# Altium PCB CAN_Current_Module.PcbDoc (part 1 of 2)
Units mil, origin at the board's own origin, x right, y up, seen from the top; angles counter-clockwise.
Board outline 5090 x 3560 mil, 4 copper layers (Top Layer, VCC Plane, GND Plane, Bottom Layer), stack 34.802 mil thick; 166 components, 119 nets, 491 pads, 146 vias.
Unrouted connection lines stored in the file: 3.
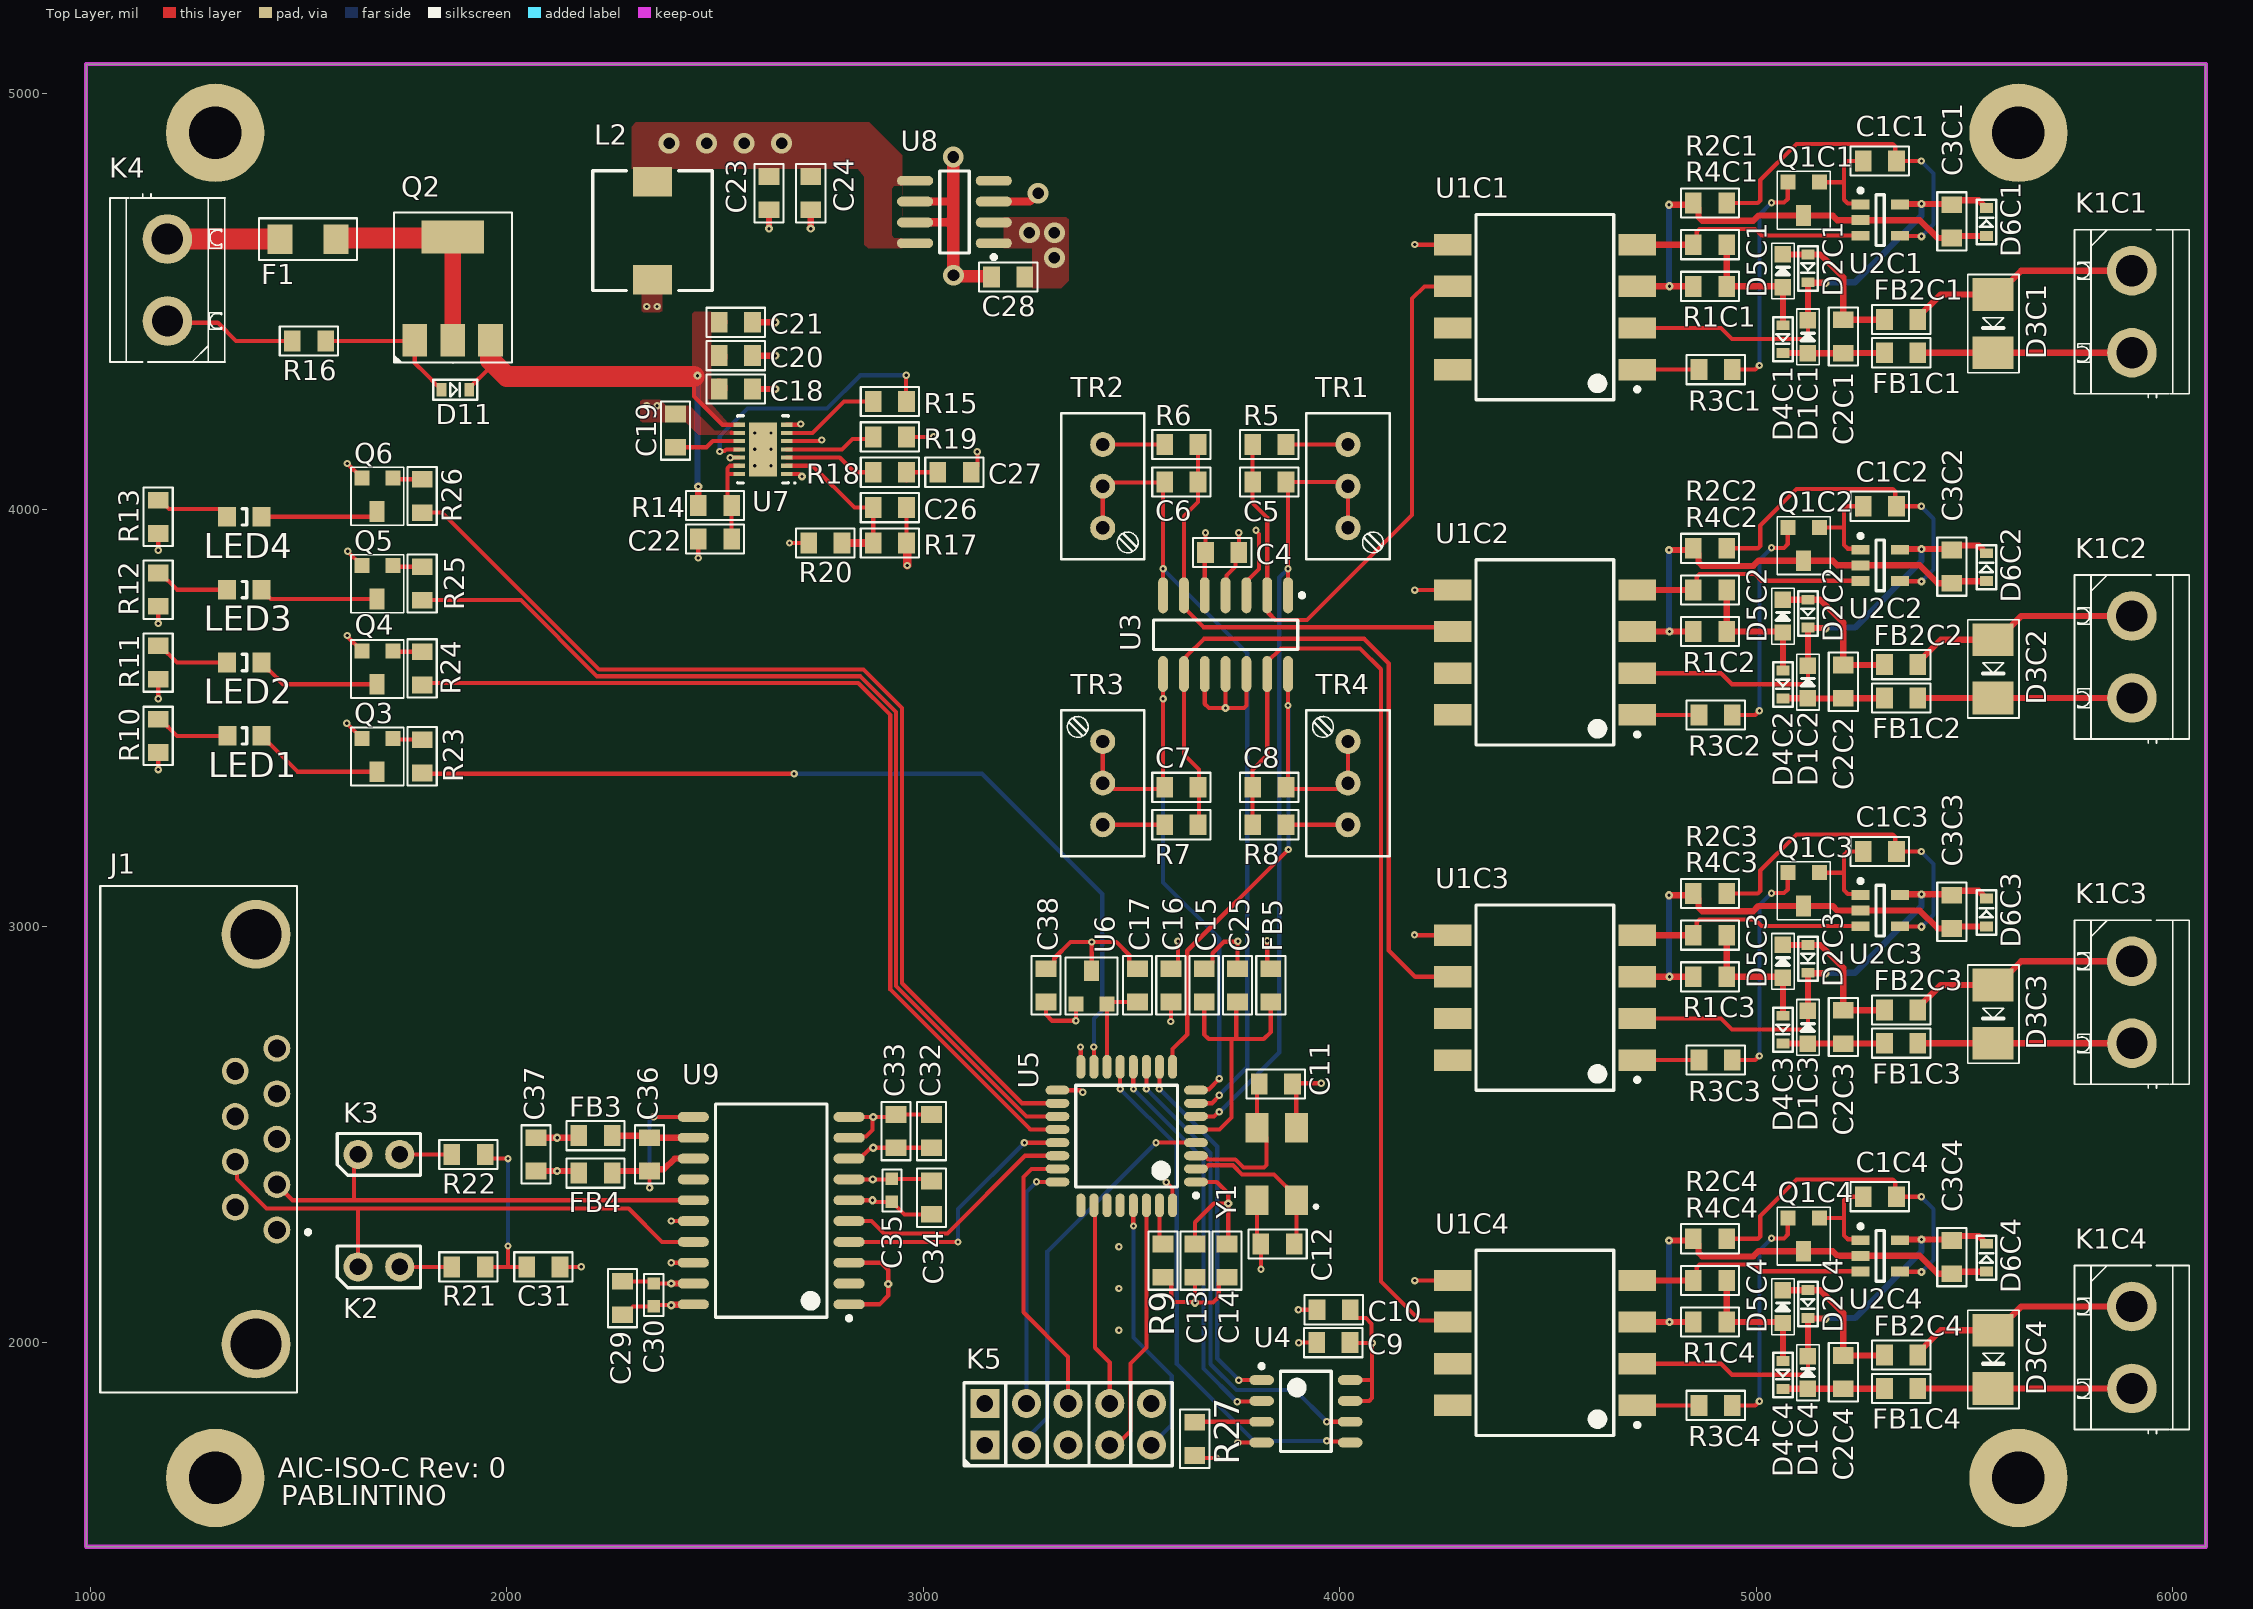
[diagram p0: Top Layer view]
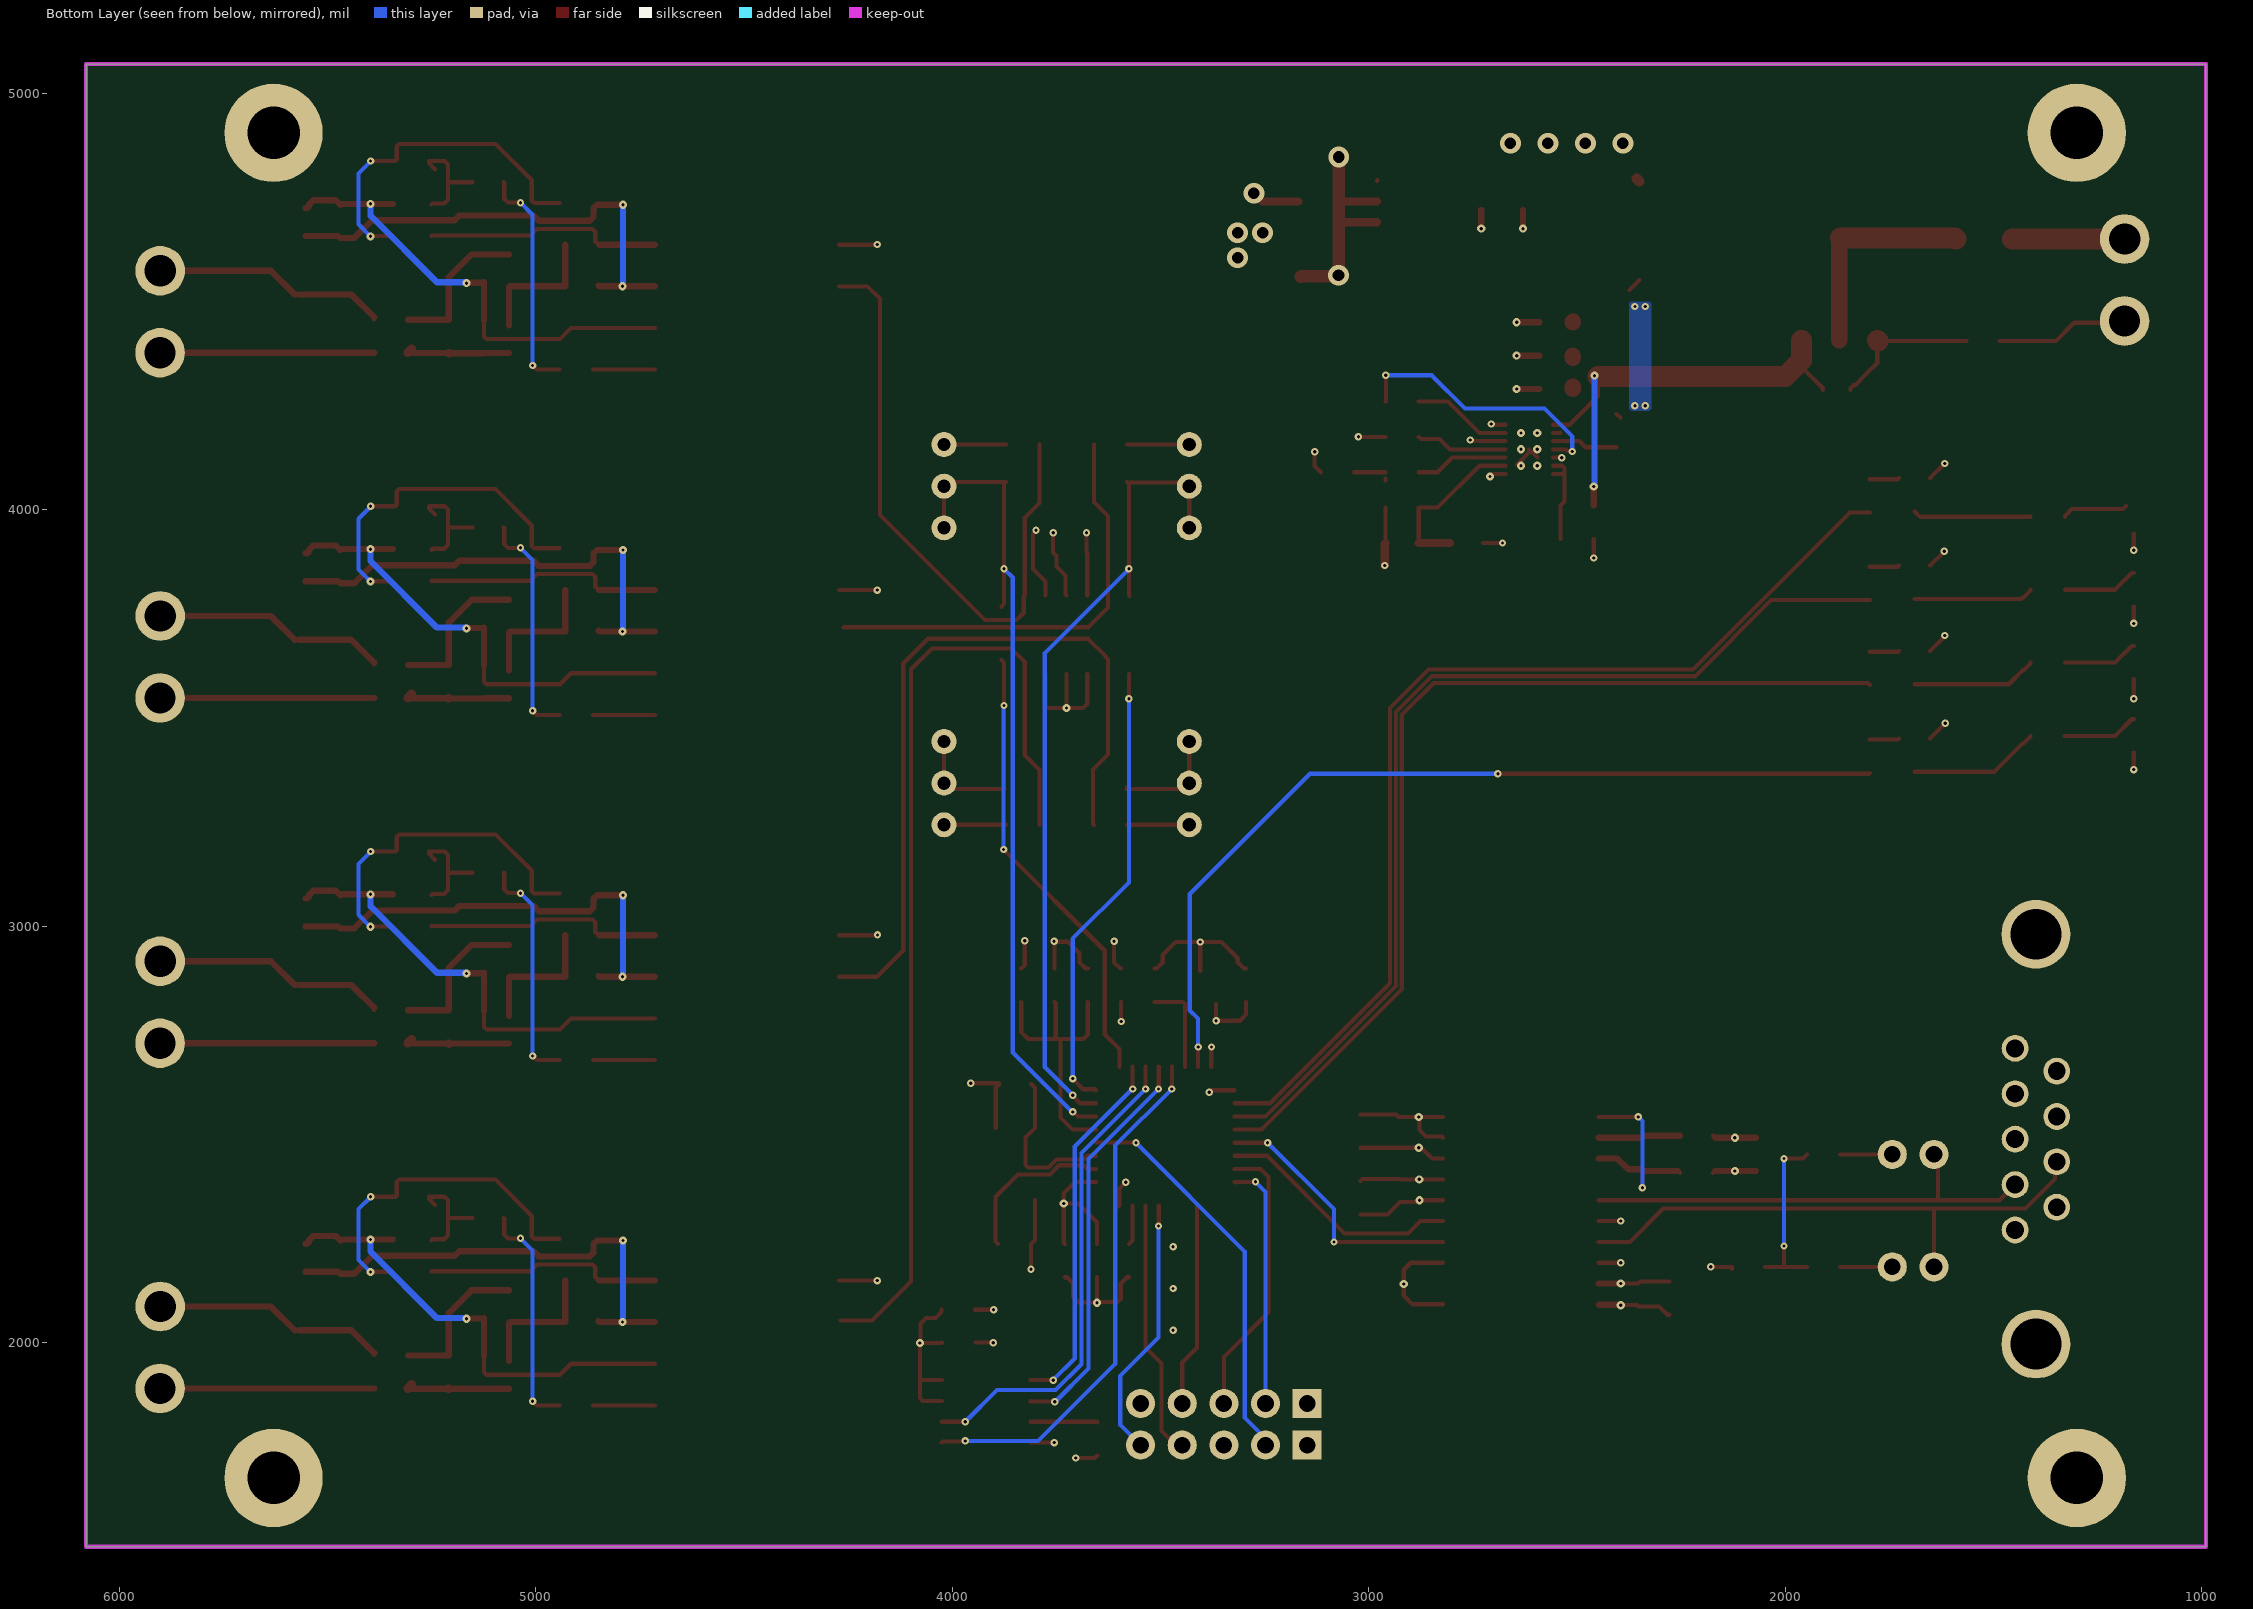
[diagram p1: Bottom Layer view, seen from below]
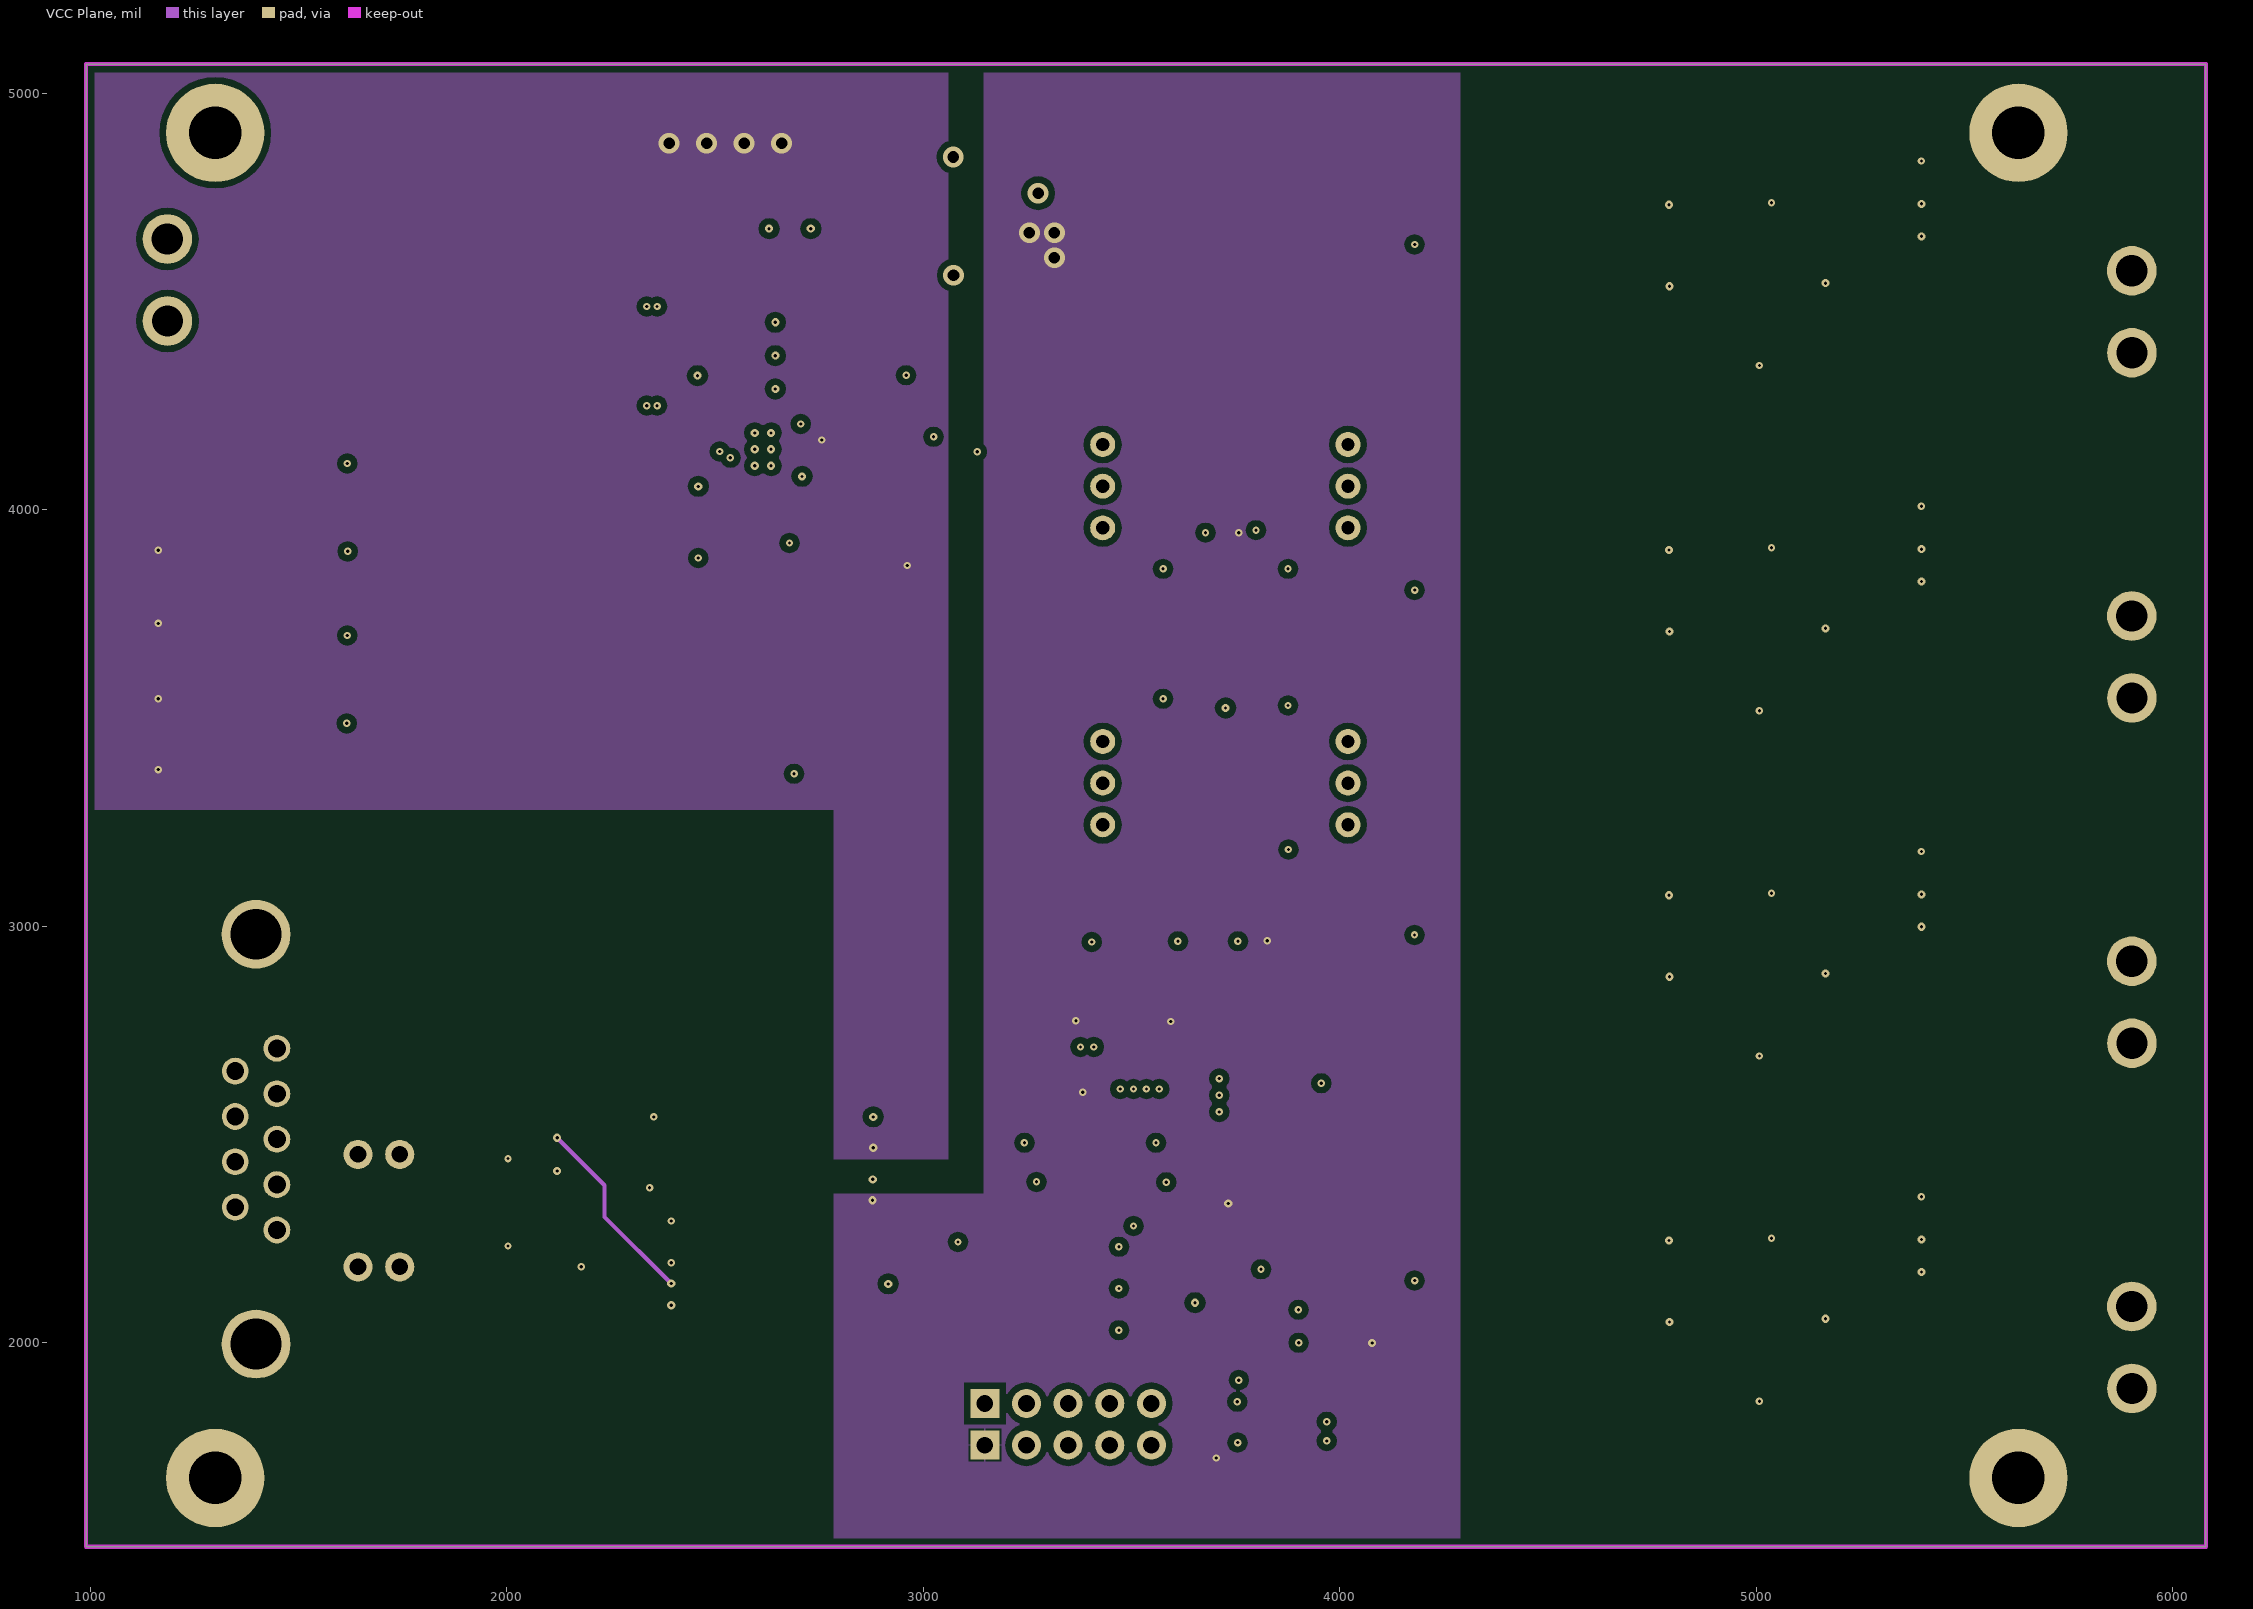
[diagram p2: VCC Plane]
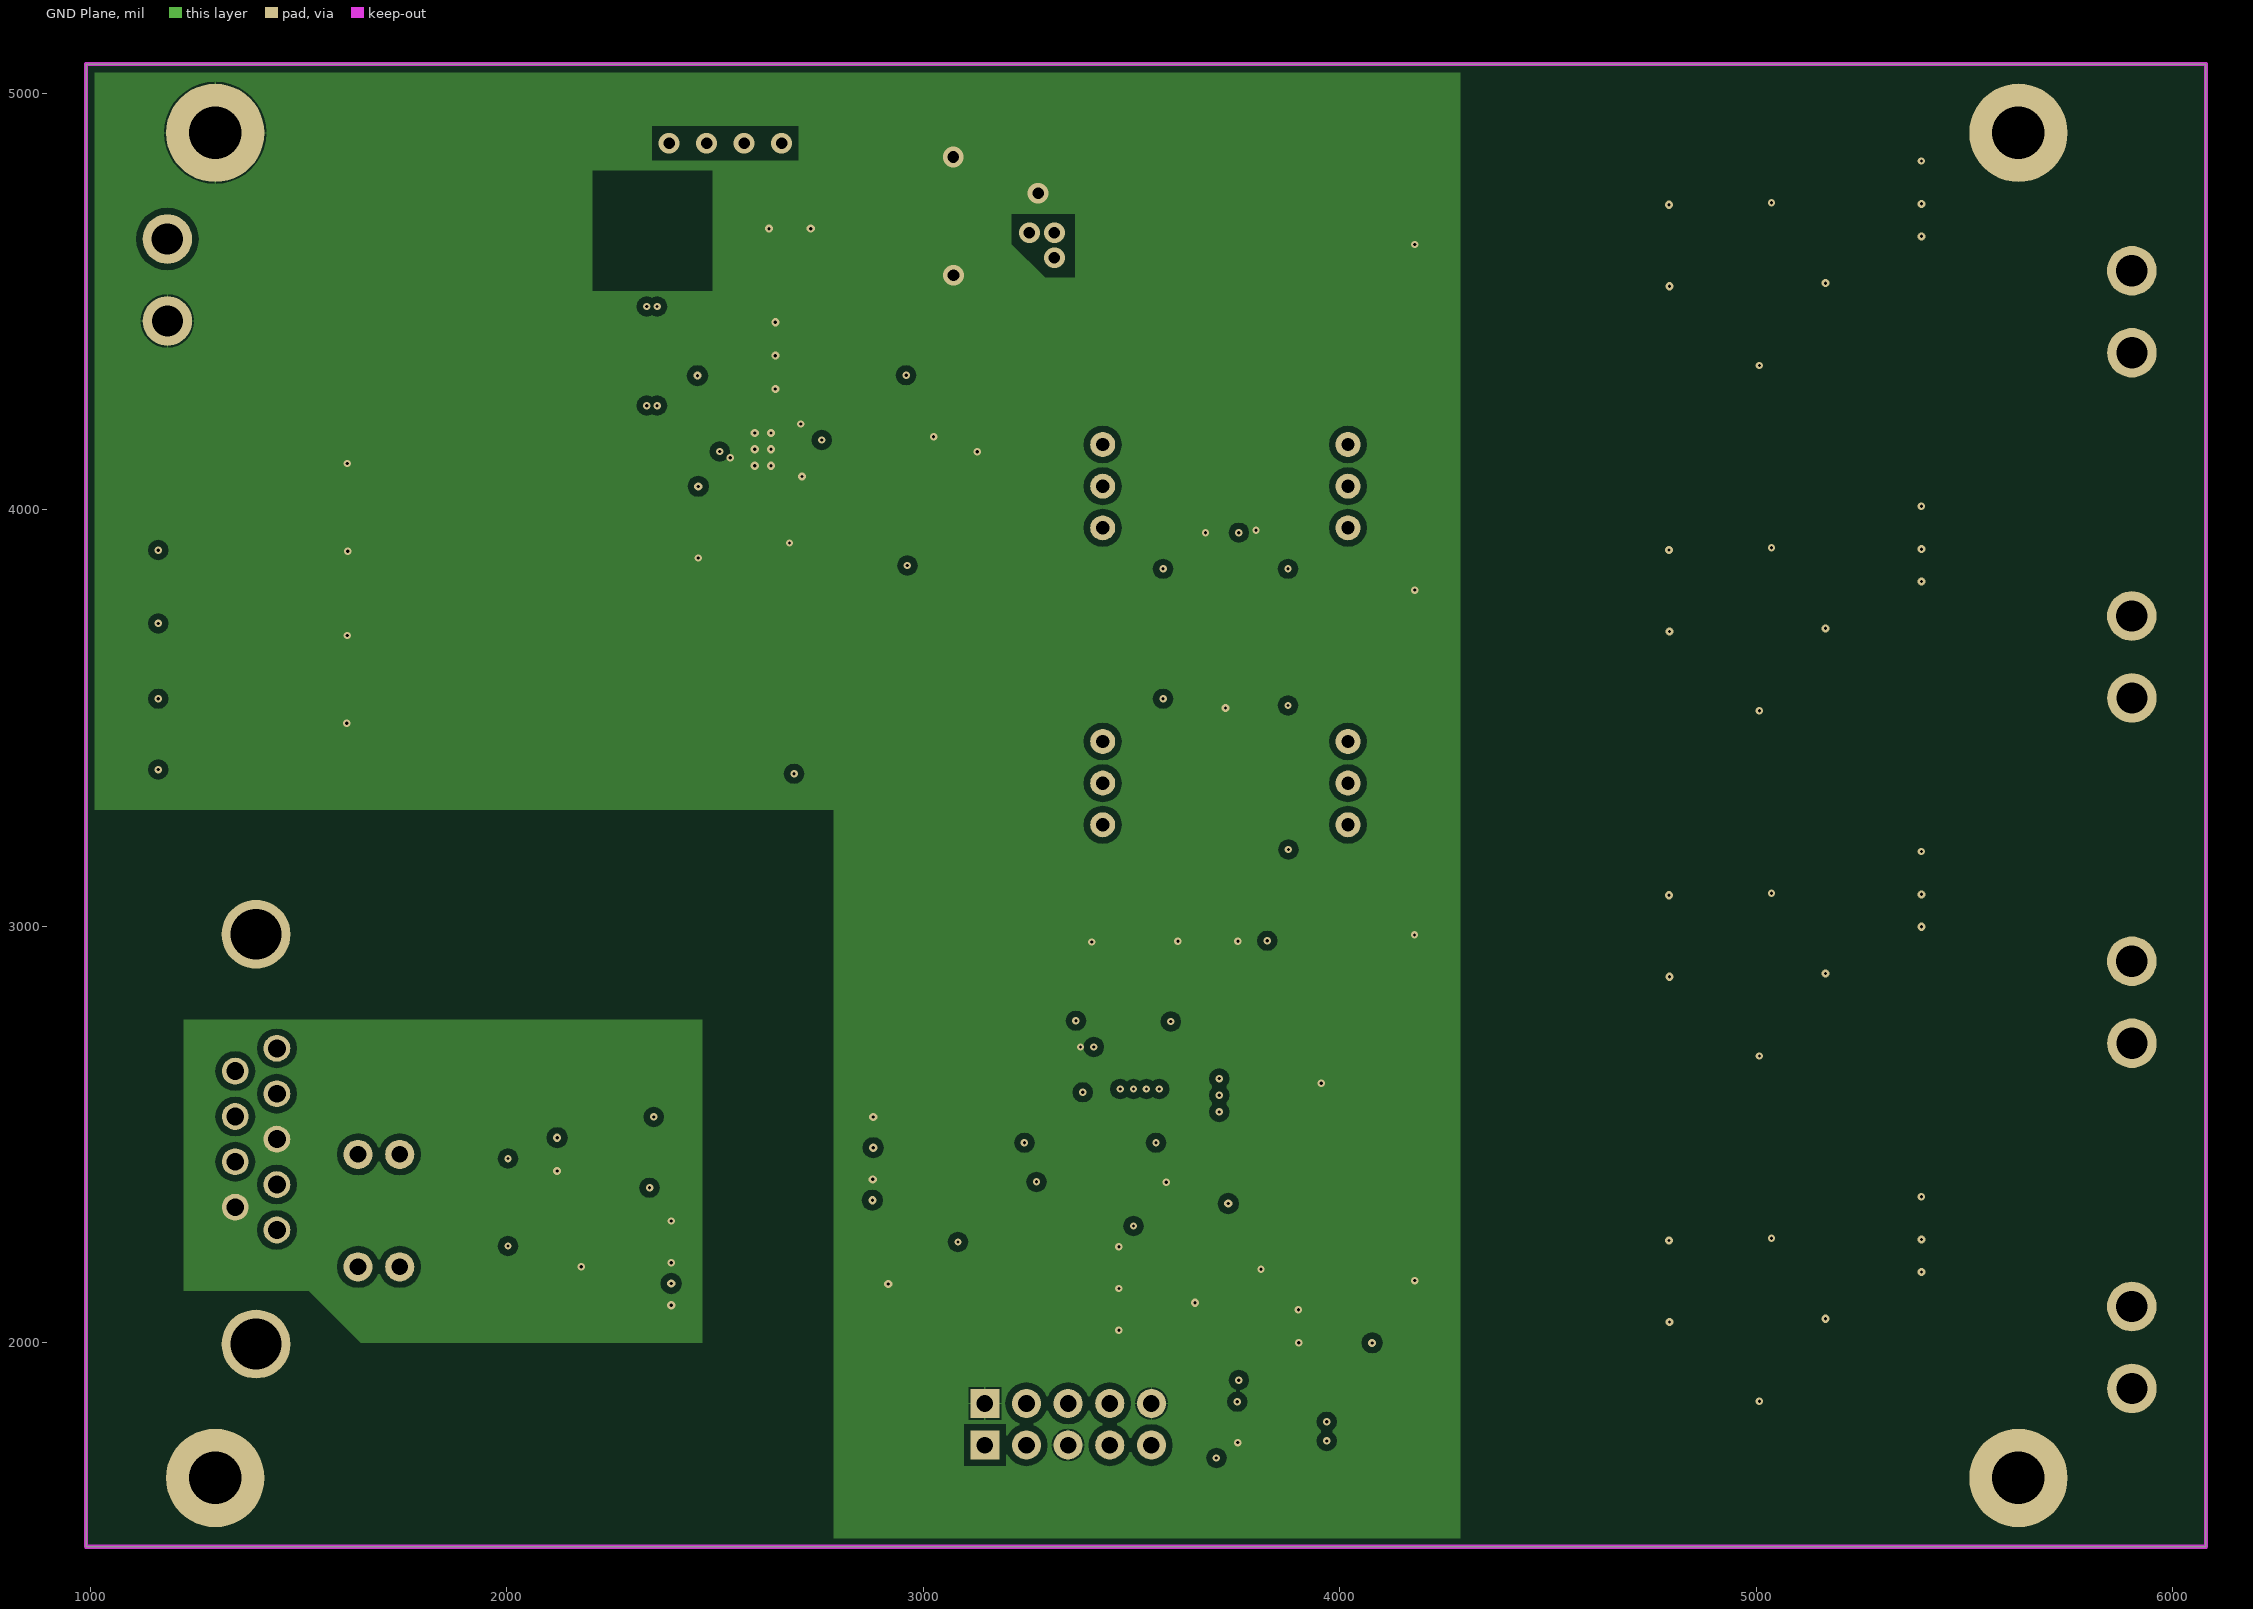
[diagram p3: GND Plane]

## Layer stack, top to bottom
Top Solder: solder mask 0.394, Solder Resist, Dk 3.5
Top Layer: signal copper 1.417
Dielectric 1: dielectric 12.598, FR-4, Dk 4.8
VCC Plane: signal copper 1.378
Dielectric 2: core 4.016, FR-4, Dk 4.8
GND Plane: signal copper 1.378
Dielectric2: dielectric 12.598, FR-4, Dk 4.8
Bottom Layer: signal copper 1.417
Bottom Solder: solder mask 0.394, Solder Resist, Dk 3.5

## Board outline
990,1510 990,5070 6080,5070 6080,1510
